# Altium PCB Urukul.PcbDoc (part 3 of 12) (continued)
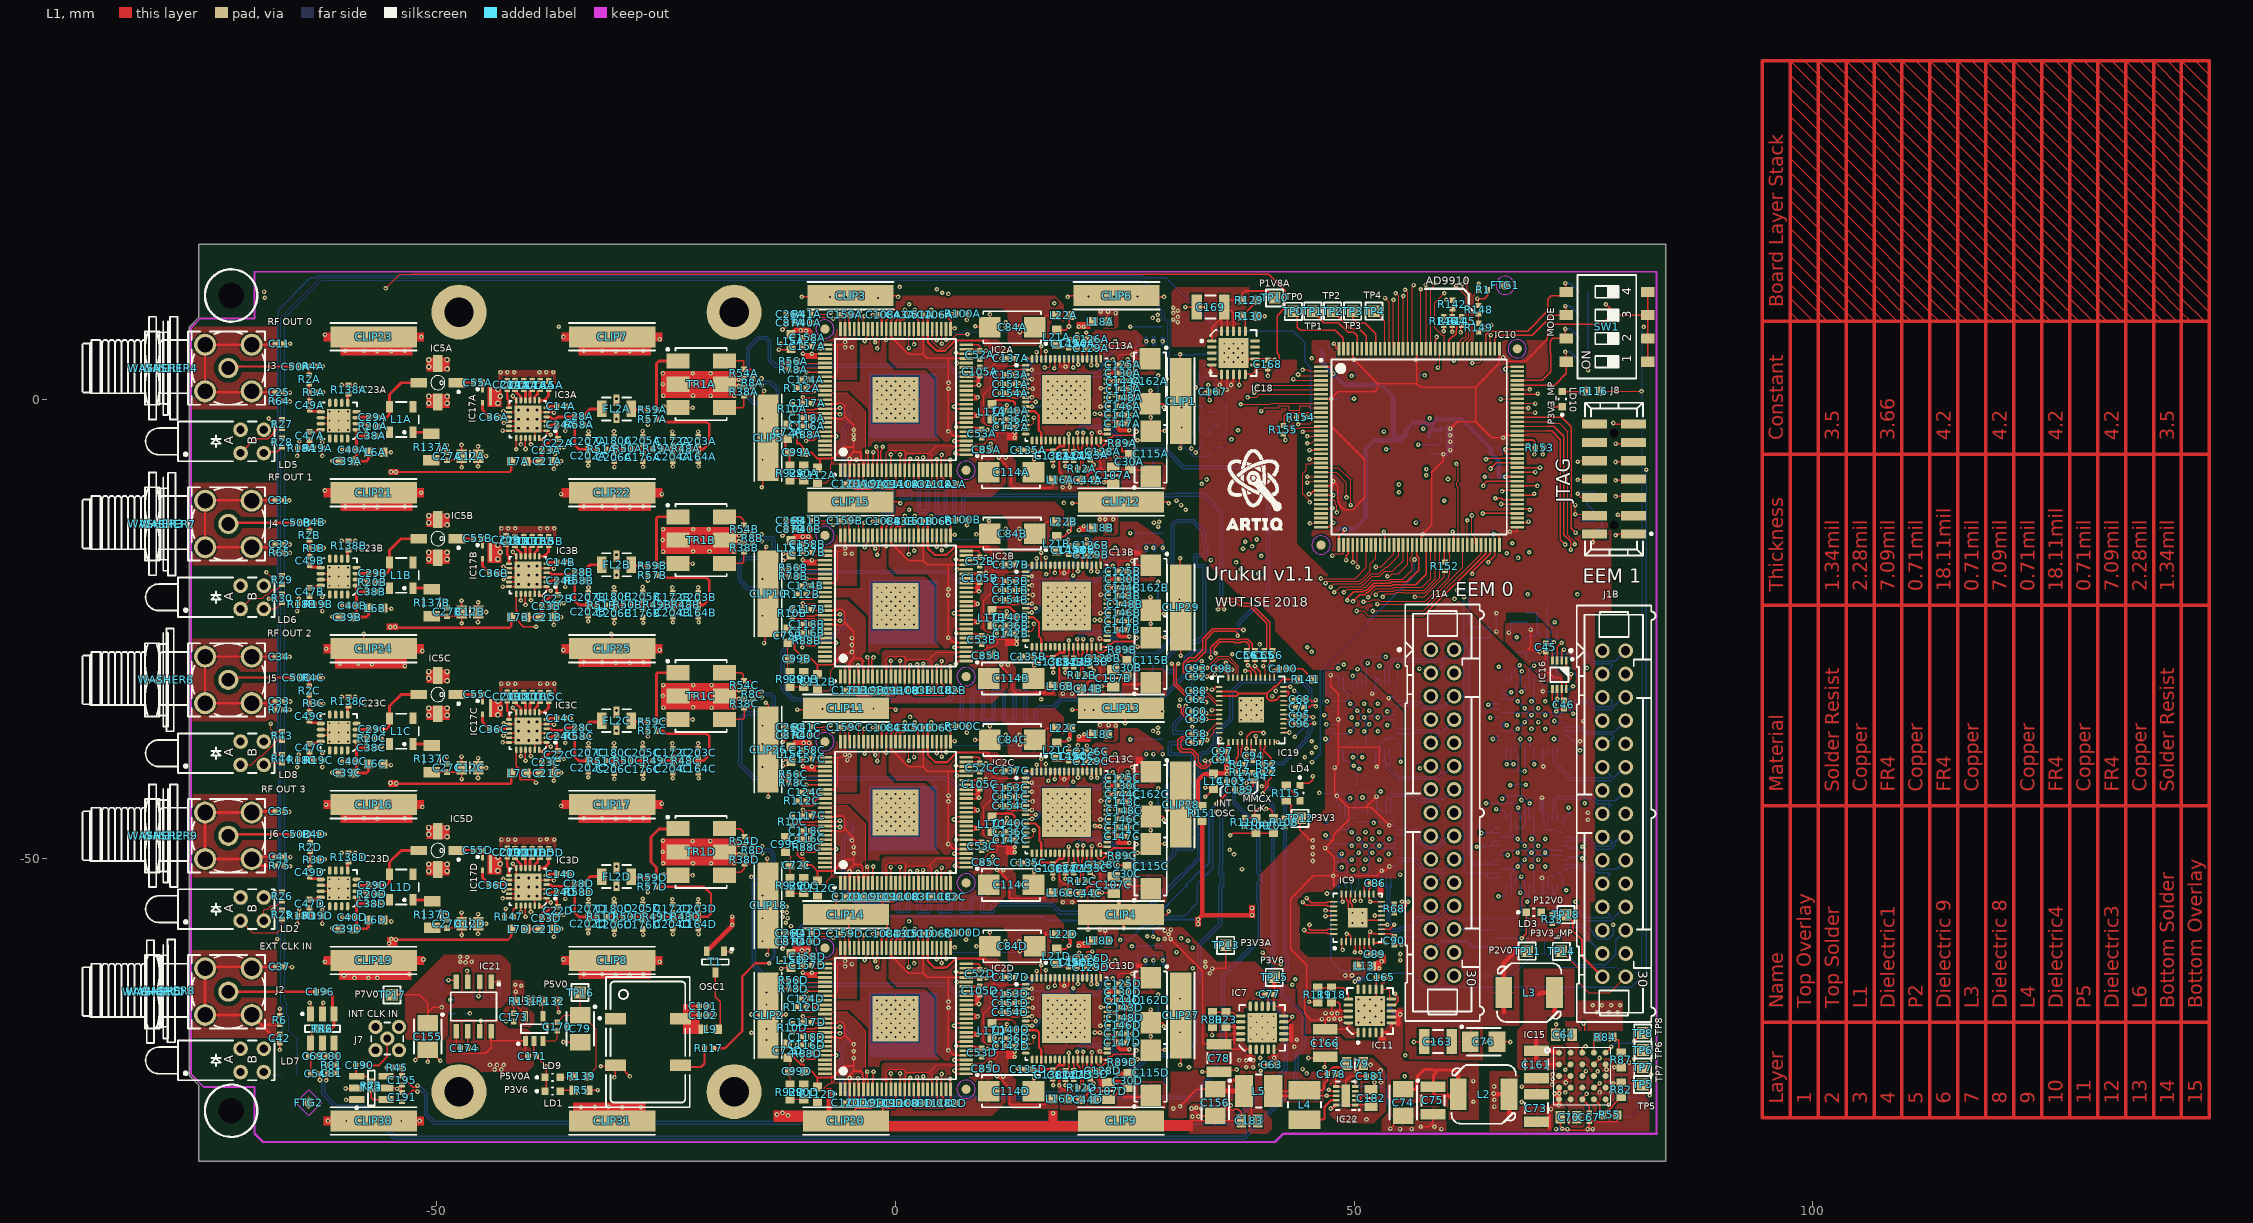
[diagram p0: L1 view]
## Part data (continued)
  R90A R90B R90C R90D R140A R140B R140C R140D: PressFit=No
R92A R92B R92C R92D: library part R0603_2k2_1%_0.1W_100PPM, "Resistor - 1%", Case=0603, Manufacturer=GENERIC, Manufacturer1 ComponentHeight=0.55mm, Manufacturer1 Example="NIC COMPONENT", Manufacturer1 Part Number=NRC06F2201TRF, Manufacturer Part Number=R0603_2K2_1%_0.1W_100PPM, Power=0.1W, Tolerance=±1%, Author="CERN DEM JLC", Component Type=Standard, CreateDate=03.12.2007, HelpURL=\\cern.ch\dfs\Applications\Altium\Datasheets\R0603_NIC_NRC.pdf, LatestRevisionDate=13.03.2008, Mounted=Yes, Part Description="General Purpose Thick Film Chip Resistor", Part Number=R0603_2K2_1%_0.1W_100PPM, Pin Count=2, PressFit=No, Sense=No, SMD=Yes, Socket=No, Status=Preferred, TC=±100ppm/°C
R113A R113B R113C R113D: library part R0603_470R_1%_0.1W_100PPM, "Resistor - 1%", Case=0603, Manufacturer=GENERIC, Manufacturer1 ComponentHeight=0.55mm, Manufacturer1 Example="NIC COMPONENT", Manufacturer1 Part Number=NRC06F4700TRF, Power=0.1W, Tolerance=±1%, Author="CERN DEM JLC", Component Type=Standard, CreateDate=03.12.2007, HelpURL=\\cern.ch\dfs\Applications\Altium\Datasheets\R0603_NIC_NRC.pdf, LatestRevisionDate=13.03.2008, Manufacturer Part Number=R0603_470R_1%_0.1W_100PPM, Mounted=Yes, Part Description="General Purpose Thick Film Chip Resistor", Part Number=R0603_470R_1%_0.1W_100PPM, Pin Count=2, PressFit=No, Sense=No, SMD=Yes, Socket=No, Status=Preferred, TC=±100ppm/°C
R131: library part R0603_6K8_1%_0.1W_100PPM, "Resistor - 1%", Case=0603, Manufacturer=GENERIC, Manufacturer1 ComponentHeight=0.55mm, Manufacturer1 Example="NIC COMPONENT", Manufacturer1 Part Number=NRC06F6801TRF, Power=0.1W, Tolerance=±1%, Author="CERN DEM JLC", Component Type=Standard, CreateDate=03.12.2007, HelpURL=\\cern.ch\dfs\Applications\Altium\Datasheets\R0603_NIC_NRC.pdf, LatestRevisionDate=13.03.2008, Manufacturer Part Number=R0603_6K8_1%_0.1W_100PPM, Mounted=Yes, Part Description="General Purpose Thick Film Chip Resistor", Part Number=R0603_6K8_1%_0.1W_100PPM, Pin Count=2, Sense=No, SMD=Yes, Socket=No, Status=Preferred, TC=±100ppm/°C
R132 R139: library part R0603_2K2_1%_0.1W_100PPM, "Resistor - 1%", Case=0603, Manufacturer=GENERIC, Manufacturer1 ComponentHeight=0.55mm, Manufacturer1 Example="NIC COMPONENT", Manufacturer1 Part Number=NRC06F2201TRF, Power=0.1W, Tolerance=±1%, Author="CERN DEM JLC", Component Type=Standard, CreateDate=03.12.2007, HelpURL=\\cern.ch\dfs\Applications\Altium\Datasheets\R0603_NIC_NRC.pdf, LatestRevisionDate=13.03.2008, Manufacturer Part Number=R0603_2K2_1%_0.1W_100PPM, Mounted=Yes, Part Description="General Purpose Thick Film Chip Resistor", Part Number=R0603_2K2_1%_0.1W_100PPM, Pin Count=2, Sense=No, SMD=Yes, Socket=No, Status=Preferred, TC=±100ppm/°C
R133: library part R0603_43K_1%_0.1W_100PPM, "Resistor - 1%", Case=0603, Manufacturer=GENERIC, Manufacturer1 ComponentHeight=0.55mm, Manufacturer1 Example="NIC COMPONENT", Manufacturer1 Part Number=NRC06F4302TRF, Power=0.1W, Tolerance=±1%, Author="CERN DEM JLC", Component Type=Standard, CreateDate=03.12.2007, HelpURL=\\cern.ch\dfs\Applications\Altium\Datasheets\R0603_NIC_NRC.pdf, LatestRevisionDate=13.03.2008, Manufacturer Part Number=R0603_43K_1%_0.1W_100PPM, Mounted=Yes, Part Description="General Purpose Thick Film Chip Resistor", Part Number=R0603_43K_1%_0.1W_100PPM, Pin Count=2, Sense=No, SMD=Yes, Socket=No, Status=Preferred, TC=±100ppm/°C
R134: library part R0603_47K_1%_0.1W_100PPM, "Resistor - 1%", Case=0603, Manufacturer=GENERIC, Manufacturer1 ComponentHeight=0.55mm, Manufacturer1 Example="NIC COMPONENT", Manufacturer1 Part Number=NRC06F4702TRF, Power=0.1W, Tolerance=±1%, Author="CERN DEM JLC", Component Type=Standard, CreateDate=03.12.2007, HelpURL=\\cern.ch\dfs\Applications\Altium\Datasheets\R0603_NIC_NRC.pdf, LatestRevisionDate=13.03.2008, Manufacturer Part Number=R0603_47K_1%_0.1W_100PPM, Mounted=Yes, Part Description="General Purpose Thick Film Chip Resistor", Part Number=R0603_47K_1%_0.1W_100PPM, Pin Count=2, Sense=No, SMD=Yes, Socket=No, Status=Preferred, TC=±100ppm/°C
R135: library part R0603_9K1_1%_0.1W_100PPM, "Resistor - 1%", Case=0603, Manufacturer=GENERIC, Manufacturer1 ComponentHeight=0.55mm, Manufacturer1 Example="NIC COMPONENT", Manufacturer1 Part Number=NRC06F9101TRF, Power=0.1W, Tolerance=±1%, Author="CERN DEM JLC", Component Type=Standard, CreateDate=03.12.2007, HelpURL=\\cern.ch\dfs\Applications\Altium\Datasheets\R0603_NIC_NRC.pdf, LatestRevisionDate=13.03.2008, Manufacturer Part Number=R0603_9K1_1%_0.1W_100PPM, Mounted=Yes, Part Description="General Purpose Thick Film Chip Resistor", Part Number=R0603_9K1_1%_0.1W_100PPM, Pin Count=2, Sense=No, SMD=Yes, Socket=No, Status=Preferred, TC=±100ppm/°C
R136: library part R0603_5K6_1%_0.1W_100PPM, "Resistor - 1%", Case=0603, Manufacturer=GENERIC, Manufacturer1 ComponentHeight=0.55mm, Manufacturer1 Example="NIC COMPONENT", Manufacturer1 Part Number=NRC06F5601TRF, Power=0.1W, Tolerance=±1%, Author="CERN DEM JLC", Component Type=Standard, CreateDate=03.12.2007, HelpURL=\\cern.ch\dfs\Applications\Altium\Datasheets\R0603_NIC_NRC.pdf, LatestRevisionDate=13.03.2008, Manufacturer Part Number=R0603_5K6_1%_0.1W_100PPM, Mounted=Yes, Part Description="General Purpose Thick Film Chip Resistor", Part Number=R0603_5K6_1%_0.1W_100PPM, Pin Count=2, Sense=No, SMD=Yes, Socket=No, Status=Preferred, TC=±100ppm/°C
R137A R137B R137C R137D: library part "R1206_100R_1%_0.5W_100PPM_VISHAY_CRCW-HP e3", "Resistor - 1%", Case=1206, Manufacturer="VISHAY DRALORIC", Manufacturer Part Number=CRCW1206100RFKEAHP, Power=0.5W, Tolerance=±1%, Voltage=200V, Author="CERN DEM JLC", ComponentHeight=0.65mm, Component Type=Standard, CreateDate=19.11.2013, HelpURL="\\cern.ch\dfs\Applications\Altium\Datasheets\R1206_VISHAY_CRCW-HP e3.pdf", LatestRevisionDate=19.11.2013, Mounted=Yes, Part Description="Pulse Proof, High Power Thick Film Chip Resistor", Part Number="R1206_100R_1%_0.5W_100PPM_VISHAY_CRCW-HP e3", Pin Count=2, PressFit=No, Sense=No, SMD=Yes, Socket=No, Status=None, TC=±100ppm/°C
R150 R151: library part R0603_NO-VALUE, "Resistor", Case=0603, Author="CERN DEM JLC", Component Type=Standard, CreateDate=03.12.2007, HelpURL=Undefined, LatestRevisionDate=13.03.2008, Manufacturer=Undefined, Manufacturer1 ComponentHeight=Undefined, Manufacturer1 Example=Undefined, Manufacturer1 Part Number=Undefined, Manufacturer Part Number=R0603_NO-VALUE, Mounted=No, Part Description="Reserved Footprint For a 0603 (1608) Chip Resistor", Part Number=R0603_NO-VALUE, Pin Count=2, PressFit=No, Sense=No, SMD=Yes, Socket=No, Status=None
SW1: library part SW_OMRON_A6S-4102-H, "4 Ways SPST DIP Switch", Manufacturer=OMRON, Manufacturer Part Number=A6S-4102-H, Author="CERN DEM JMW", ComponentHeight=3.8mm, Component Type=Standard, CreateDate=25.09.2008, Family=Switch, HelpURL=\\cern.ch\dfs\Applications\Altium\Datasheets\SW_OMRON_A6S-4102-H.pdf, LatestRevisionDate=25.09.2008, Mounted=Yes, PackageDescription="Pitch 2.54mm, Body 11.3x6.4mm, 4 Ways SPST Surface-Mounting DIP Switch, OMRON A6S-H", Part Description="4 Ways SPST DIP Switch, White Flat Actuator with Seal Tape, Contact Rating 25mA 24VDC", Part Number=SW_OMRON_A6S-4102-H, Pin Count=8, PressFit=No, Sense=No, SMD=Yes, Socket=No, Status=None
T1: "P-CHANNEL MOSFET WITH DIODE", Case=SOT23-3, Manufacturer="ON SEMICONDUCTOR", Author="CERN DEM JLC", Bonding=No, ComponentHeight=1.1mm, Component Type=Standard, CreateDate=29.03.2012, Device=BSS84LT1G, HelpURL=\\cern.ch\dfs\Applications\Altium\Datasheets\BSS84LT1G.pdf, LatestRevisionDate=29.03.2012, Manufacturer Part Number=BSS84LT1G, Mounted=Yes, PackageDescription="SOT23 3-Leads, Pitch 0.95mm - Body 1.4x3mm, IPC Medium Density", Part Description="50V 130mA Single P-Channel Power MOSFET", Part Number=BSS84LT1G, Pin Count=3, PressFit=No, Sense=No, SMD=Yes, Socket=No
TP0 TP1 TP2 TP3 TP4 TP5 TP6 TP7 TP8 TP10 TP11 TP12 TP13 TP14 TP15 TP16 TP17 TP18: library part SMD_PAD_1.27X1.27MM, Author="CERN DEM JLC", ComponentHeight=0mm, Component Type="Standard (No BOM)", CreateDate=12.01.2008, Family="Test Point", HelpURL=Undefined, LatestRevisionDate=12.01.2008, Mounted=No, PackageDescription="1.27mm x 1.27mm PCB Copper Area (SMD Test Point)", Part Description="1.27mm x 1.27mm PCB Copper Area (SMD Test Point)", Part Number=SMD_PAD_1.27X1.27MM, Pin Count=1, Sense=No, SMD=Yes, Socket=No, Status=None
TR1A TR1B TR1C TR1D: library part XFMR_MINI-CIRCUITS_ADT1-1WT+, "75 Ohm 0.4 To 800MHz RF Transformers", Manufacturer=MINI-CIRCUITS, Manufacturer Part Number=ADT1-1WT+, Author="CERN DEM JLC", ComponentHeight=2.84mm, Component Type=Standard, CreateDate=21.09.2011, HelpURL=\\cern.ch\dfs\Applications\Altium\Datasheets\XFMR_MINI-CIRCUITS_ADT1-1WT+.pdf, LatestRevisionDate=21.09.2011, Mounted=Yes, Part Description="75 Ohms 0.4 to 800 MHz RF Transformer", Part Number=XFMR_MINI-CIRCUITS_ADT1-1WT+, Pin Count=6, Sense=No, SMD=Yes, Socket=No, Status=None
TR2 TR3: library part XFMR_MINI-CIRCUITS_TCM2-43X+, "50 OHMS 10 to 4000 MHz RF Transformer", Manufacturer=MINI-CIRCUITS, Manufacturer Part Number=TCM2-43X+, Power=0.4W, Author="CERN DEM BC", ComponentHeight=4.06mm, Component Type=Standard, CreateDate=2016-02-12, HelpURL=\\cern.ch\dfs\Applications\Altium\Datasheets\XFMR_MINI-CIRCUITS_TCM2-43X+.pdf, LatestRevisionDate=2016-02-12, Mounted=Yes, Part Description="50 Ohms 10 to 4000MHz RF Transformer", Part Number=XFMR_MINI-CIRCUITS_TCM2-43X+, Pin Count=6, Sense=No, SMD=Yes, Socket=No, Status=None
WASHER1 WASHER2 WASHER3 WASHER4 WASHER5 WASHER6 WASHER7 WASHER8 WASHER9 WASHER10: "SMA_Shoulder Washer", Manufacturer=Keystone, Manufacturer Part Number=7687, Part Number="Keystone 7687", Author=GK, ComponentHeight=1.91mm, Component Type=Mechanical, CreateDate=28.01.2016, HelpURL=\\cern.ch\dfs\Applications\Altium\Datasheets\AAVID-THERMALLOY_7721-7PPSG.pdf, LatestRevisionDate=28.01.2016, Mounted=Yes, PackageDescription="Polyphenylene Sulfide PPS Shoulder Washer", Part Description="Polyphenylene Sulfide PPS Shoulder Washer", Pin Count=0, PressFit=No, Sense=No, SMD=No, Socket=No, Status=None

## Free pads (board coordinates)
  round 6 hole 3.2: 0(-17.6,-75.453) 1(-17.6,9.547) 2(-47.6,9.547) 3(-47.6,-75.453)
  round 1.27 hole 2.794: 1(-72.444,11.359) 2(-72.444,-77.541)

## Via types
v1: diameter 0.5, hole 0.2, L1 to L6, tented both sides, 2267 vias
v2: diameter 0.6, hole 0.3, L1 to L6, tented both sides, 88 vias
v3: diameter 0.5, hole 0.2, L1 to L6, 3 vias

## Nets (pads, with @x,y where several pads share a name; then routed paths per layer and width w, separated by ;. In a path a pad name is that pad's centre, name@x,y a point inside that pad or via, vN(x,y) a via of type N, cw(c..) or ccw(c..) an arc to the next point about the centre after c; other vN are vias at no path point)
ATT_CLK: IC3A.21 IC3B.21 IC3C.21 IC3D.21 IC10.95 | length 206.3
  L1 w0.127: IC10.95@67.8,-2.903 71.066,-2.903
  L1 w0.152: v1(-40.35,-56.378) IC3D.21@-40.35,-55.178 ; v1(-40.35,-39.378) IC3C.21@-40.35,-38.178 ; v1(-40.35,-22.378) IC3B.21@-40.35,-21.178 ; v1(-40.35,-5.378) IC3A.21@-40.35,-4.178 ; 71.066,-2.903 71.79,-2.903 72.895,-4.008 72.895,-14.722 73.631,-15.459 73.631,-15.559 73.61,-15.58 73.61,-16.331 v1(73.631,-16.352)
  L3 w0.152: v1(-40.35,-56.378) -40.35,-55.799 -39.207,-54.656 -38.881,-54.656 -38.572,-54.346 -38.572,-52.909 -38.8,-52.681 -38.8,-52.574 -38.572,-52.346 -38.572,-51.909 -40.35,-50.131 v1(-40.35,-39.378) -40.35,-38.799 -39.207,-37.656 -38.881,-37.656 -38.572,-37.346 -38.572,-37.267 -38.5,-37.195 -38.5,-34.981 -38.881,-34.6 -39.328,-34.6 -40.35,-33.578 v1(-40.35,-22.378) -40.35,-21.799 -39.207,-20.656 -38.881,-20.656 -38.572,-20.346 -38.572,-17.909 -38.881,-17.6 -39.083,-17.6 -40.35,-16.333 v1(-40.35,-5.378)
  L4 w0.152: v1(-40.35,-22.378) -37.372,-22.378 -36.478,-21.483 -15.421,-21.483 -14.898,-22.006 -14.216,-22.006 -13.719,-21.508 -9.833,-21.508 -9.229,-22.113 -5.84,-22.113 -3.254,-19.527 3.271,-19.527 5.297,-21.553 5.297,-21.637 5.416,-21.756 5.5,-21.756 5.588,-21.844 6.858,-21.844 8.497,-23.483 8.497,-24.44 8.636,-24.579 8.636,-24.998 9.867,-26.23 10.242,-26.23 10.31,-26.162 11.176,-26.162 12.192,-27.178 22.098,-27.178 23.876,-25.4 23.876,-23.114 25.146,-21.844 26.162,-21.844 27.178,-20.828 32.258,-20.828 32.619,-20.467 44.015,-20.467 45.539,-18.943 47.166,-18.943 47.939,-19.716 70.268,-19.716 v1(73.631,-16.352)
ATT_LE: IC3A.22 IC3B.22 IC3C.22 IC3D.22 IC10.94 | length 193.3
  L1 w0.127: IC10.94@67.8,-3.403 70.961,-3.403
  L1 w0.152: IC3D.22@-39.85,-55.178 -39.85,-55.767 v1(-39.746,-55.871) ; IC3C.22@-39.85,-38.178 -39.85,-38.767 v1(-39.746,-38.871) ; IC3B.22@-39.85,-21.178 -39.85,-21.767 v1(-39.746,-21.871) ; IC3A.22@-39.85,-4.178 -39.85,-4.767 v1(-39.746,-4.871) ; 70.961,-3.403 71.553,-3.403 72.514,-4.363 72.514,-15.285 v1(73.022,-15.793)
  L3 w0.152: v1(-39.746,-55.871) -39.667,-55.871 -38.1,-54.304 -38.1,-50.853 -39.746,-49.207 v1(-39.746,-38.871) -39.667,-38.871 -38.268,-37.472 -38.268,-37.393 -37.928,-37.053 -37.928,-34.625 -39.746,-32.807 v1(-39.746,-21.871) -39.667,-21.871 -38.2,-20.404 -38.2,-17.296 -38.957,-17.296 -39.746,-16.507 v1(-39.746,-4.871)
  L4 w0.152: v1(-39.746,-21.871) -37.526,-21.871 -36.713,-21.058 -5.445,-21.058 -3.407,-19.019 9.326,-19.019 9.662,-19.356 10.038,-19.356 10.145,-19.248 13.264,-19.248 13.716,-18.796 15.494,-18.796 16.197,-19.499 17.721,-19.499 18.132,-19.91 19.28,-19.91 19.304,-19.934 21.477,-19.934 21.55,-20.007 28.155,-20.007 28.46,-20.311 28.835,-20.311 29.213,-19.934 30.338,-19.934 32.816,-19.934 33,-19.75 36.872,-19.75 37.259,-20.137 43.761,-20.137 45.107,-18.791 45.297,-18.791 45.423,-18.664 47.282,-18.664 48.002,-19.384 52.184,-19.384 52.772,-18.797 59.833,-18.797 60.246,-18.384 70.507,-18.384 73.06,-15.831 73.098,-15.793 v1(73.022,-15.793)
ATT_RSTN: IC3A.20 IC3B.20 IC3C.20 IC3D.20 IC10.96 | length 202.1
  L1 w0.127: IC10.96@67.8,-2.403 71.171,-2.403 71.329,-2.56 72.412,-2.56 73.327,-3.474 73.327,-14.777 74.063,-15.514 v1(74.063,-15.768)
  L1 w0.152: v1(-40.85,-55.878) IC3D.20@-40.85,-55.178 ; v1(-40.85,-38.878) IC3C.20@-40.85,-38.178 ; v1(-40.85,-21.878) IC3B.20@-40.85,-21.178 ; v1(-40.85,-4.878) IC3A.20@-40.85,-4.178
  L3 w0.127: v1(-40.85,-55.878) -40.85,-54.625 -40.572,-54.346 -40.572,-51.909 -40.828,-51.652 -40.828,-38.878 -40.828,-37.603 -40.572,-37.346 -40.572,-34.909 -40.828,-34.652 -40.828,-21.878 -40.828,-20.603 -40.572,-20.346 -40.572,-17.909 -40.85,-17.631 v1(-40.85,-4.878)
  L4 w0.127: v1(-40.85,-21.878) -40.85,-22.673 -40.18,-23.343 -36.943,-23.343 -36.835,-23.236 -36.147,-23.236 -34.801,-21.889 -15.7,-21.889 -15.192,-22.397 -10.925,-22.397 -10.655,-22.668 -5.506,-22.668 -2.898,-20.059 -1.818,-20.059 -1.816,-20.061 -1.184,-20.061 -1.182,-20.059 3.171,-20.059 5.222,-22.11 6.108,-22.11 8.23,-24.232 8.23,-25.248 9.478,-26.496 11.133,-26.496 12.082,-27.444 22.208,-27.444 24.142,-25.51 24.142,-23.356 25.388,-22.11 26.272,-22.11 26.285,-22.098 30.693,-22.098 30.793,-22.198 32.158,-22.198 33.406,-20.95 45.615,-20.95 46.174,-21.508 49.005,-21.508 49.081,-21.432 49.12,-21.432 50.47,-20.083 61.548,-20.083 61.551,-20.086 71.117,-20.086 74.072,-17.131 74.072,-16.17 74.063,-16.161 v1(74.063,-15.768)
ATT_S_IN: IC3A.24 IC10.133 | length 113.7
  L1 w0.127: v1(53.387,11.079) 53.85,10.616 IC10.133@53.85,5.547
  L1 w0.3: IC3A.24@-38.85,-4.178 -38.862,-4.189 -38.673,-4.378 v1(-38.35,-4.378)
  L3 w0.127: v1(-38.35,-4.378) -38.35,-1.208 -36.721,0.421 v1(-36.721,7.958)
  L4 w0.127: v1(-36.721,7.958) -21.597,7.958 -19.917,6.278 -16.31,6.278 -10.037,12.552 -0.459,12.552 0.261,11.833 0.646,11.833 0.655,11.841 3.146,11.841 3.916,11.071 5.955,11.071 6.014,11.13 17.539,11.13 17.901,10.767 18.961,10.767 18.991,10.797 29.067,10.797 29.096,10.767 30.182,10.767 30.544,11.13 49.272,11.13 49.323,11.079 v1(53.387,11.079)
ATT_S_OUT: IC10.97 R147.1 | length 179.7
  L1 w0.152: R147.1@-42.532,-56.236 -42.532,-55.537 v1(-42.494,-55.499) ; IC10.97@67.8,-1.903 72.644,-1.903 73.708,-2.966 73.708,-11.292 73.687,-11.312 73.687,-11.688 73.687,-12.312 73.687,-12.688 73.708,-12.708 73.708,-14.041 v1(74.165,-14.498)
  L4 w0.152: v1(-42.494,-55.499) -42.494,-54.813 -41.812,-54.131 -41.812,-52.801 -41.603,-52.593 -41.603,-51.625 -40.897,-50.919 -40.897,-40.076 -41.761,-39.212 -41.761,-34.64 -40.948,-33.827 -40.948,-24.861 -40.186,-24.1 -36.694,-24.1 -36.638,-24.156 -36.229,-24.156 -34.441,-22.368 -16.264,-22.368 -15.853,-22.778 -10.976,-22.778 -9.201,-24.553 -3.895,-24.553 -3.302,-25.146 3.556,-25.146 3.677,-25.025 6.813,-25.025 6.934,-25.146 7.366,-25.146 9.243,-27.023 10.966,-27.023 11.122,-27.178 11.438,-27.178 11.971,-27.711 22.319,-27.711 24.409,-25.621 24.409,-23.597 25.4,-22.606 32.512,-22.606 33.61,-21.508 45.412,-21.508 45.844,-21.94 48.155,-21.94 48.668,-22.453 50.078,-22.453 50.108,-22.423 50.136,-22.423 50.416,-22.143 50.416,-21.61 51.559,-20.467 60.945,-20.467 61.062,-20.35 61.438,-20.35 61.555,-20.467 71.803,-20.467 74.647,-17.622 74.647,-15.031 74.165,-14.549 v1(74.165,-14.498)
CFG_TCK: IC10.67 J8.6 R67.1 | length 20.6
  L1 w0.127: v1(62.85,-12.632) 62.85,-14.648 63.216,-15.013 63.216,-15.718 IC10.67@63.35,-15.853 ; v1(74.39,-10.25) 74.65,-10.51 74.65,-10.653 J8.6@76.225,-10.653
  L4 w0.127: v1(62.85,-12.632) 63.58,-11.902 66.913,-11.902 68.1,-10.715 73.925,-10.715 v1(74.39,-10.25)
  L6 w0.127: v1(74.39,-10.25) 74.598,-10.042 76.279,-10.042 76.32,-10.083 R67.1@76.32,-10.653
CFG_TDI: IC10.63 J8.10 | length 24.3
  L1 w0.127: v1(61.14,-7) 61.35,-7.21 61.35,-8.882 61.175,-9.057 61.175,-9.443 61.348,-9.617 61.348,-15.851 IC10.63@61.35,-15.853 ; v1(74.39,-6.75) 74.487,-6.653 J8.10@76.225,-6.653
  L4 w0.127: v1(61.14,-7) 68.186,-7 68.436,-6.75 v1(74.39,-6.75)
CFG_TDO: IC10.122 J8.8 | length 30.9
  L1 w0.127: v1(59.14,3.5) 59.35,3.71 IC10.122@59.35,5.547 ; v1(74.39,-8.75) 74.487,-8.653 J8.8@76.225,-8.653
  L3 w0.127: v1(59.14,3.5) 59.22,3.421 59.22,-7.622 v1(60.25,-8.653)
  L4 w0.127: v1@60.25,-8.75 60.368,-8.868 74.272,-8.868 v1(74.39,-8.75)
CFG_TMS: IC10.65 J8.4 R66.1 | length 20.8
  L1 w0.127: IC10.65@62.35,-15.853 v1(62.35,-13.153) ; v1(74.14,-11.5) v1(74.14,-12.5) 76.072,-12.5 J8.4@76.225,-12.653
  L4 w0.127: v1(62.35,-13.153) 67.241,-13.153 68.893,-11.5 v1(74.14,-11.5)
  L6 w0.127: v1(74.14,-12.5) 74.823,-13.183 R66.1@76.35,-13.183
CK_MMCX_IN_N: C194.1 C195.1 R45.2 TR3.4 | length 139.9
  L1 w0.152: TR3.4@-55.57,-73.778 -53.855,-73.778 C195.1@-53.813,-73.735 ; R45.2@-53.88,-72.828 -53.88,-73.667 C195.1@-53.813,-73.735 ; v1@-52.2,-74.975 -52.652,-74.975 -53.269,-74.358 -53.269,-74.287 -53.813,-73.744 C195.1@-53.813,-73.735 ; v1(38.63,-42.514) 38.63,-42.362 38.732,-42.26 38.803,-42.26 38.986,-42.077 C194.1@38.986,-41.567
  L6 w0.152: v1(-52.125,-74.801) -51.951,-74.975 -51.674,-74.975 -51.045,-75.604 -51.045,-77.907 -50.25,-78.703 36.65,-78.703 42.387,-72.965 42.387,-67.371 40.195,-65.179 40.195,-62.857 41,-62.053 41,-44.303 40.462,-43.764 39.575,-43.764 39.164,-43.352 39.164,-42.336 38.986,-42.159 38.859,-42.159 38.63,-42.387 v1(38.63,-42.514)
CK_MMCX_IN_P: C189.1 C191.2 R73.2 TR3.6 | length 142.6
  L1 w0.152: R73.2@-57.16,-75.268 -57.16,-76.11 -56.952,-76.318 TR3.6@-55.57,-76.318 -54.039,-76.318 C191.2@-53.813,-76.544 -53.692,-76.544 -53.242,-76.093 -53.242,-75.894 -52.627,-75.28 v1@-52.2,-75.28 ; C189.1@38.071,-42.482 38.071,-42.514 38.152,-42.594 38.152,-42.514 38.152,-42.316 38.275,-42.193 v1(38.275,-41.803)
  L6 w0.152: v1(-52.125,-75.454) -51.951,-75.28 -51.8,-75.28 -51.35,-75.73 -51.35,-78.034 -50.376,-79.007 36.776,-79.007 42.603,-73.181 42.692,-73.091 42.692,-67.245 40.5,-65.053 40.5,-62.984 41.305,-62.179 41.305,-44.176 40.588,-43.459 39.702,-43.459 39.468,-43.226 39.468,-42.21 39.112,-41.854 38.325,-41.854 v1(38.275,-41.803)
CK_SMA_IN_N: C80.1 C81.1 R81.2 TR2.4 | length 3.4
  L1 w0.152: TR2.4@-61.23,-70.167 -61.025,-70.372 -61.025,-71.577 -61.025,-72.577 C81.1@-61.025,-73.477
CK_SMA_IN_P: C54.1 C69.2 R46.2 TR2.6 | length 5.7
  L1 w0.152: C54.1@-63.75,-73.502 -63.75,-71.817 C69.2@-63.99,-71.577 -63.77,-71.357 TR2.6@-63.77,-70.167 -63.639,-70.037 -63.639,-68.756 -63.148,-68.756 R46.2@-62.97,-68.577
CKIN0_N: C194.2 IC19.15 R17.2 R47.1 | length 4.4
  L1 w0.152: IC19.15@37.8,-37.328 37.8,-37.954 37.702,-38.051 37.702,-38.806 38.063,-39.166 38.07,-39.166 R47.1@38.07,-39.753 R17.2@38.07,-40.653 38.971,-40.653 C194.2@38.986,-40.667
CKIN0_P: C103.1 C189.2 IC19.14 R17.1 R47.2 | length 5.3
  L1 w0.152: C189.2@37.012,-42.463 37.012,-41.6 37.012,-41.591 C103.1@37.026,-41.577 ; C103.1@37.048,-41.6 37.13,-41.518 R17.1@37.13,-40.653 R47.2@37.13,-39.753 37.13,-39.166 37.398,-38.899 37.398,-38.051 37.3,-37.954 IC19.14@37.3,-37.328
CKIN1_N: C81.2 IC19.20 R22.2 R52.1 | length 154.5
  L1 w0.152: v1@-62.247,-74.385 v1(-62.086,-74.225) -61.925,-74.064 C81.2@-61.925,-73.477 ; v1(40.053,-42.946) 40.053,-42.811 40.025,-42.784 40.652,-42.156 40.652,-41.556 40.97,-41.239 R22.2@40.97,-40.653 R52.1@40.97,-39.753 40.97,-39.089 40.154,-38.273 40.154,-38.1 40.3,-37.954 IC19.20@40.3,-37.328
  L6 w0.152: v1(-62.086,-74.225) -62.25,-74.389 -62.25,-75.622 -60.908,-76.963 -57.914,-76.963 -57.825,-77.053 -54.536,-80.342 37.947,-80.342 43.486,-74.803 43.486,-73.392 43.575,-73.303 43.575,-71.351 43.664,-71.261 44.373,-70.553 44.373,-67.176 41.945,-64.748 41.945,-62.676 42.5,-62.122 42.5,-60.803 42.316,-60.619 42.316,-43.8 41.119,-42.603 40.375,-42.603 40.053,-42.925 v1(40.053,-42.946)
CKIN1_P: C54.2 IC19.19 R22.1 R52.2 | length 154.7
  L1 w0.152: v1@-62.85,-74.089 C54.2@-62.85,-73.502 ; IC19.19@39.8,-37.328 39.8,-37.954 39.849,-38.003 39.849,-38.399 40.03,-38.58 R52.2@40.03,-39.753 R22.1@40.03,-40.653 40.03,-41.239 40.348,-41.556 40.348,-42.03 40.125,-42.253 40.043,-42.171 v1(39.933,-42.171)
  L6 w0.152: v1(-62.755,-74.183) -62.564,-74.373 -62.564,-75.043 -62.555,-75.053 -62.555,-75.748 -61.034,-77.268 -58.041,-77.268 -55.222,-80.086 -54.662,-80.647 38.073,-80.647 43.791,-74.929 43.791,-73.518 43.88,-73.429 43.88,-71.477 44.589,-70.768 44.678,-70.679 44.678,-67.049 44.589,-66.96 42.25,-64.622 42.25,-62.803 42.805,-62.248 42.805,-60.676 42.621,-60.493 42.621,-43.674 41.245,-42.298 40.06,-42.298 v1(39.933,-42.171)
CLK_DIV: IC10.11 R155.1 | length 5.3
  L1 w0.152: R155.1@42.266,-2.807 42.39,-2.682 42.39,-1.75 42.737,-1.403 IC10.11@46.4,-1.403
DAC_OUTA_N: R8A.1 R38A.1 R78A.2 R91A.2 TR1A.4 | length 25.6
  L1 w0.152: TR1A.4@-18.65,-0.856 -16.689,-0.856 -16.525,-0.692 R38A.1@-16.525,0.413 -15.826,0.413 -15.6,0.639 R8A.1@-15.6,1.402 -15.282,1.72 -14.774,1.72 v1(-14.613,1.559) ; v1(-12.246,3.384) -12.246,3.532 -12.221,3.557 -11.93,3.557 R78A.2@-11.62,3.247
  L6 w0.152: v1(-14.613,1.559) -14.442,1.73 -13.643,1.73 -13.03,1.118 -13.03,0.305 -13.538,-0.203 -15.392,-0.203 -15.926,0.33 -15.926,5.563 -14.91,6.579 -14.173,6.579 -13.894,6.299 -13.894,4.293 -13.158,3.557 -12.496,3.557 v1@-12.284,3.345 ; v1@-12.186,3.247 R91A.2@-11.62,3.247
DAC_OUTA_P: R8A.2 R54A.1 R56A.2 R79A.2 TR1A.6 | length 26.5
  L1 w0.152: TR1A.6@-17.832,4.224 -16.565,4.224 -16.525,4.185 R54A.1@-16.525,3.334 -15.803,3.334 -15.6,3.131 R8A.2@-15.6,2.342 -15.282,2.025 -14.913,2.025 -14.732,2.206 v1@-14.613,2.206 ; v1(-12.246,4.044) -12.246,3.888 -12.221,3.862 -11.93,3.862 R56A.2@-11.62,4.172
  L6 w0.152: v1@-14.584,2.206 -14.412,2.035 -13.517,2.035 -12.725,1.244 -12.725,0.179 -13.412,-0.508 -15.519,-0.508 -16.231,0.204 -16.231,5.689 -15.036,6.883 -14.047,6.883 -13.589,6.425 -13.589,4.42 -13.032,3.862 -12.496,3.862 v1@-12.28,4.078 ; v1@-12.186,4.172 R79A.2@-11.62,4.172
  other v1: -14.613,2.306
DAC_OUTB_N: R8B.1 R38B.1 R78B.2 R91B.2 TR1B.4 | length 23.4
  L1 w0.152: TR1B.4@-18.65,-17.856 -16.722,-17.856 -16.551,-17.684 -16.551,-16.594 -16.551,-16.58 -16.513,-16.58 -16.349,-16.58 -16.253,-16.484 -15.756,-16.484 -15.6,-16.327 R8B.1@-15.6,-15.598 -15.282,-15.28 -14.774,-15.28 v1(-14.613,-15.441) ; v1(-12.246,-19.121) -12.246,-19.019 -12.17,-18.942 -11.93,-18.942 R78B.2@-11.62,-19.253
  L3 w0.178: v1(-12.246,-19.121) -12.214,-19.088 v1@-12.101,-19.088
  L6 w0.152: v1(-14.613,-15.441) -14.442,-15.27 -13.537,-15.27 -13.418,-15.389 -13.418,-16.771 -13.792,-17.145 -16.55,-17.145 -17.17,-17.765 -17.17,-19.76 -16.23,-20.701 -13.844,-20.701 -13.754,-20.612 -13.233,-20.091 -13.233,-19.436 -12.739,-18.942 -12.424,-18.942 v1(-12.246,-19.121) -12.186,-19.181 -12.186,-19.253 R91B.2@-11.62,-19.253
DAC_OUTB_P: R8B.2 R54B.1 R56B.2 R79B.2 TR1B.6 | length 22.3
  L1 w0.152: TR1B.6@-18.65,-12.776 -16.913,-12.776 -16.525,-13.163 -16.525,-13.658 R54B.1@-16.513,-13.672 -15.6,-14.584 R8B.2@-15.6,-14.658 -15.282,-14.975 -14.913,-14.975 -14.732,-14.794 v1@-14.613,-14.794 ; v1(-12.246,-18.46) -12.246,-18.561 -12.17,-18.638 -11.93,-18.638 R56B.2@-11.62,-18.328
  L6 w0.152: v1@-14.613,-14.794 -14.584,-14.794 -14.412,-14.965 -13.411,-14.965 -13.298,-15.078 -13.113,-15.263 -13.113,-16.897 -13.666,-17.45 -16.424,-17.45 -16.866,-17.892 -16.866,-19.634 -16.104,-20.396 -13.97,-20.396 -13.538,-19.964 -13.538,-19.31 -12.866,-18.638 -12.423,-18.638 v1(-12.246,-18.46) -12.186,-18.401 -12.186,-18.328 R79B.2@-11.62,-18.328
  other v1: -14.613,-14.694
DAC_OUTC_N: R8C.1 R38C.1 R78C.2 R91C.2 TR1C.4 | length 24.6
  L1 w0.152: TR1C.4@-18.65,-34.856 -16.704,-34.856 -16.513,-34.665 R38C.1@-16.513,-33.612 -15.867,-33.612 -15.6,-33.345 R8C.1@-15.6,-32.598 ; R8C.1@-15.51,-32.651 -15.296,-32.294 -14.787,-32.294 v1(-14.613,-32.467) ; -12.17,-41.443 -11.93,-41.443 R78C.2@-11.62,-41.753
  L6 w0.152: v1(-14.613,-32.467) -14.439,-32.294 -13.618,-32.294 -13.418,-32.494 -13.418,-33.56 -13.894,-34.036 -16.315,-34.036 -17.094,-34.815 -17.094,-39.877 -15.524,-41.447 -12.551,-41.447 v1(-12.373,-41.625) ; v1@-12.186,-41.753 R91C.2@-11.62,-41.753
DAC_OUTC_P: R8C.2 R54C.1 R56C.2 R79C.2 TR1C.6 | length 24.7
  L1 w0.152: TR1C.6@-18.65,-29.776 -16.829,-29.776 -16.595,-30.01 -16.595,-30.658 -16.588,-30.665 R54C.1@-16.513,-30.665 -15.891,-30.665 -15.6,-30.956 R8C.2@-15.6,-31.658 -15.269,-31.989 -14.787,-31.989 v1(-14.613,-31.815) ; v1(-12.373,-40.965) -12.2,-41.138 -11.93,-41.138 R56C.2@-11.62,-40.828
  L6 w0.152: v1(-14.613,-31.815) -14.439,-31.989 -13.492,-31.989 -13.113,-32.367 -13.113,-33.686 -13.768,-34.341 -16.189,-34.341 -16.789,-34.941 -16.789,-39.751 -15.398,-41.143 -12.551,-41.143 v1(-12.373,-40.965) -12.323,-40.965 -12.186,-40.828 R79C.2@-11.62,-40.828
DAC_OUTD_N: R8D.1 R38D.1 R78D.2 R91D.2 TR1D.4 | length 25.8
  L1 w0.152: TR1D.4@-18.65,-51.856 -18.312,-51.517 -16.856,-51.517 -16.5,-51.162 -16.5,-50.641 R38D.1@-16.475,-50.616 -15.852,-50.616 -15.56,-50.323 R8D.1@-15.56,-49.6 ; R8D.1@-15.581,-49.579 -15.282,-49.28 -14.674,-49.28 v1(-14.513,-49.441) ; v1(-12.297,-64.231) -12.175,-64.231 -12.17,-64.236 -12.186,-64.253 R78D.2@-11.62,-64.253
  L6 w0.152: v1(-14.513,-49.441) -14.342,-49.27 -13.813,-49.27 -13.513,-49.57 -13.513,-49.824 -13.493,-49.844 -13.493,-50.24 -13.513,-50.26 -13.513,-50.663 -14.818,-51.967 -15.605,-52.754 -15.605,-61.677 -13.356,-63.926 -12.602,-63.926 v1(-12.297,-64.231) ; v1@-12.17,-64.253 R91D.2@-11.62,-64.253